# KiCad board brew-keeb-v2.kicad_pcb
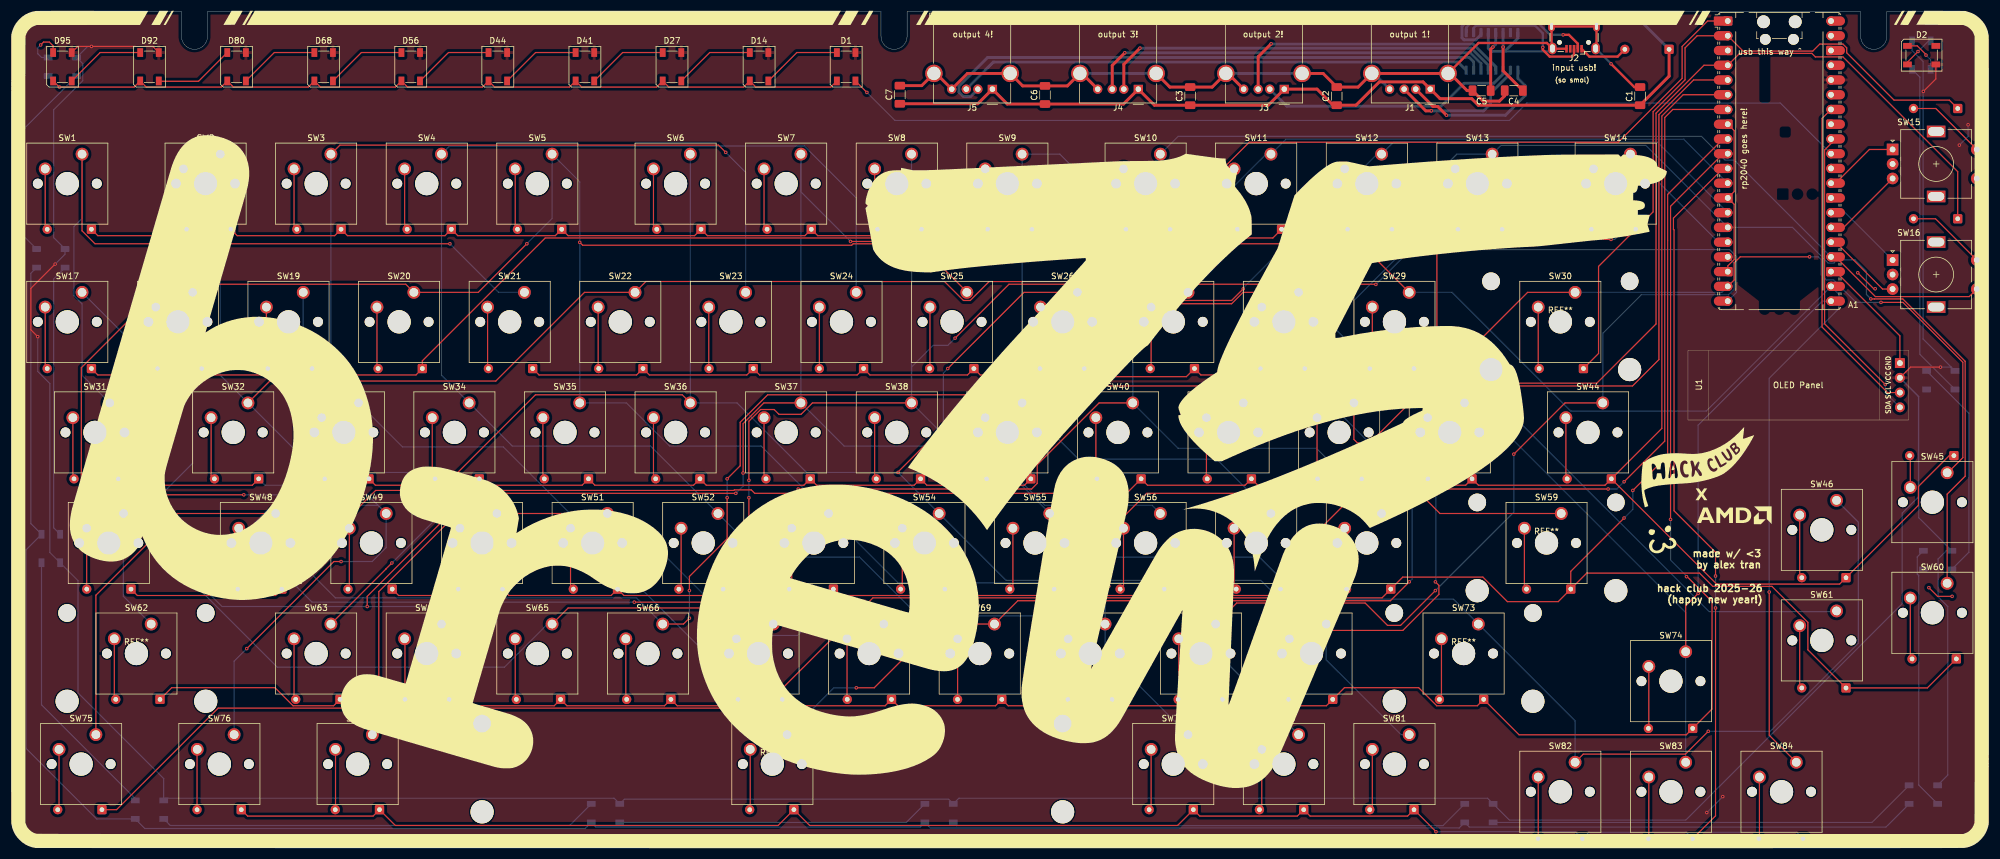
[diagram p0: board, top side]
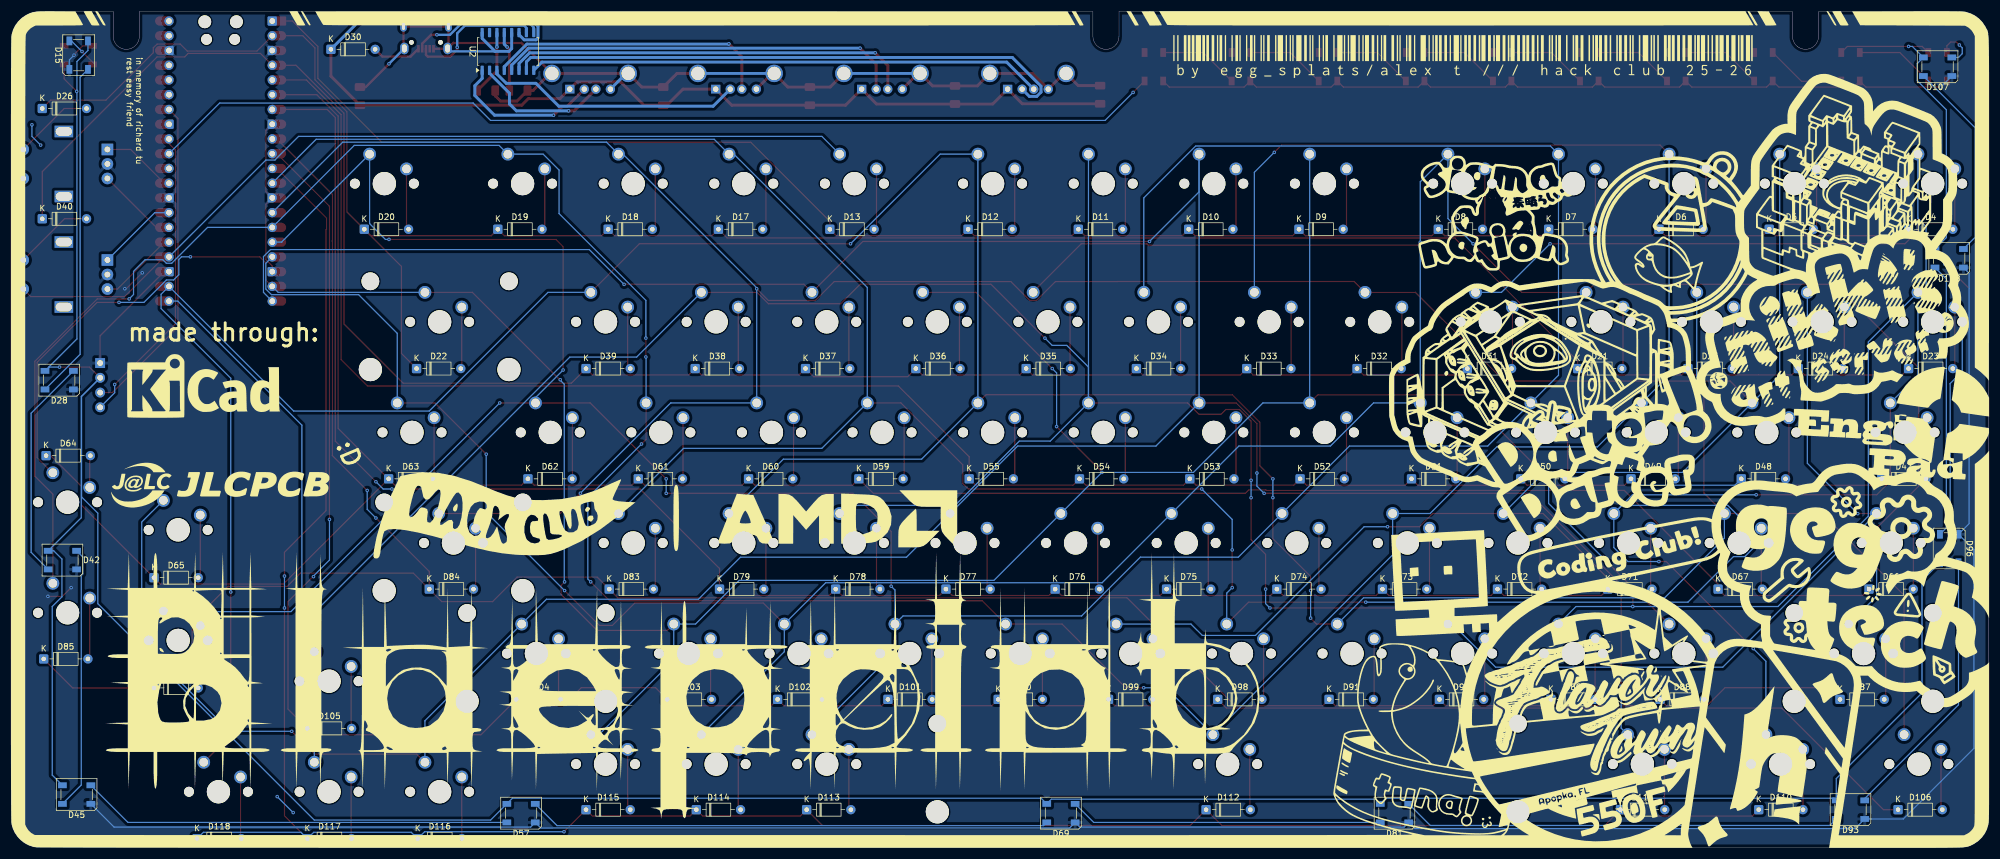
[diagram p1: board, bottom side, seen from below]

Outline 340.5 x 144 mm; copper layers: Top, Bottom. Coordinates in mm from the lower left corner of the outline.
Outline path: 0,139 arc(1.46,142.54) 5,144 29.25,144 29.25,139.75 arc(31.5,137.5) 33.75,139.75 33.75,144 149.75,144 149.75,139.75 arc(152,137.5) 154.25,139.75 154.25,144 318.5,144 318.5,139.75 arc(320.75,137.5) 323,139.75 323,144 335.5,144 arc(339.04,142.54) 340.5,139 340.5,5 arc(339.04,1.46) 335.5,0 5,0 arc(1.46,1.46) 0,5 0,139

## Placement (name value [footprint] x y rotation side)
A1  RaspberryPi_Pico  [RaspberryPi_Pico_Common_Unspecified]  304.5 118.25 0 top
C1  C  [C_1206_3216Metric_Pad1.33x1.80mm_HandSolder]  280.5 129.43 90 top
C2  C  [C_1206_3216Metric_Pad1.33x1.80mm_HandSolder]  228.25 129.43 90 top
C3  C  [C_1206_3216Metric_Pad1.33x1.80mm_HandSolder]  203 129.43 90 top
C4  C  [C_1206_3216Metric_Pad1.33x1.80mm_HandSolder]  258.75 130.39 180 top
C5  C  [C_1206_3216Metric_Pad1.33x1.80mm_HandSolder]  253.21 130.39 180 top
C6  C  [C_1206_3216Metric_Pad1.33x1.80mm_HandSolder]  178 129.64 90 top
C7  C  [C_1206_3216Metric_Pad1.33x1.80mm_HandSolder]  153 129.68 90 top
D1  SK6812  [LED_SK6812_PLCC4_5.0x5.0mm_P3.2mm]  143.75 134.5 90 top
D2  SK6812  [LED_SK6812_PLCC4_5.0x5.0mm_P3.2mm]  329 136.5 0 top
D4  D  [D_DO-35_SOD27_P7.62mm_Horizontal]  13.75 106.5 180 bottom
D5  D  [D_DO-35_SOD27_P7.62mm_Horizontal]  37.75 106.5 180 bottom
D6  D  [D_DO-35_SOD27_P7.62mm_Horizontal]  56.75 106.5 180 bottom
D7  D  [D_DO-35_SOD27_P7.62mm_Horizontal]  75.75 106.5 180 bottom
D8  D  [D_DO-35_SOD27_P7.62mm_Horizontal]  94.75 106.5 180 bottom
D9  D  [D_DO-35_SOD27_P7.62mm_Horizontal]  118.75 106.5 180 bottom
D10  D  [D_DO-35_SOD27_P7.62mm_Horizontal]  137.75 106.5 180 bottom
D11  D  [D_DO-35_SOD27_P7.62mm_Horizontal]  156.75 106.5 180 bottom
D12  D  [D_DO-35_SOD27_P7.62mm_Horizontal]  175.75 106.5 180 bottom
D13  D  [D_DO-35_SOD27_P7.62mm_Horizontal]  199.56 106.5 180 bottom
D14  SK6812  [LED_SK6812_PLCC4_5.0x5.0mm_P3.2mm]  128.75 134.5 90 top
D15  SK6812  [LED_SK6812_PLCC4_5.0x5.0mm_P3.2mm]  328.95 136.5 90 bottom
D17  D  [D_DO-35_SOD27_P7.62mm_Horizontal]  218.75 106.5 180 bottom
D18  D  [D_DO-35_SOD27_P7.62mm_Horizontal]  237.75 106.5 180 bottom
D19  D  [D_DO-35_SOD27_P7.62mm_Horizontal]  256.75 106.5 180 bottom
D20  D  [D_DO-35_SOD27_P7.62mm_Horizontal]  279.75 106.5 180 bottom
D21  D  [D_DO-35_SOD27_P7.62mm_Horizontal]  70.75 82.5 180 bottom
D22  D  [D_DO-35_SOD27_P7.62mm_Horizontal]  270.75 82.5 180 bottom
D23  D  [D_DO-35_SOD27_P7.62mm_Horizontal]  13.75 82.5 180 bottom
D24  D  [D_DO-35_SOD27_P7.62mm_Horizontal]  32.75 82.5 180 bottom
D25  D  [D_DO-35_SOD27_P7.62mm_Horizontal]  51.75 82.5 180 bottom
D26  D  [D_DO-35_SOD27_P7.62mm_Horizontal]  335.21 127.31 180 bottom
D27  SK6812  [LED_SK6812_PLCC4_5.0x5.0mm_P3.2mm]  113.75 134.5 90 top
D28  SK6812  [LED_SK6812_PLCC4_5.0x5.0mm_P3.2mm]  332.3 80.5 0 bottom
D30  D  [D_DO-35_SOD27_P7.62mm_Horizontal]  285.5 137.5 180 bottom
D31  D  [D_DO-35_SOD27_P7.62mm_Horizontal]  89.75 82.5 180 bottom
D32  D  [D_DO-35_SOD27_P7.62mm_Horizontal]  108.75 82.5 180 bottom
D33  D  [D_DO-35_SOD27_P7.62mm_Horizontal]  127.75 82.5 180 bottom
D34  D  [D_DO-35_SOD27_P7.62mm_Horizontal]  146.75 82.5 180 bottom
D35  D  [D_DO-35_SOD27_P7.62mm_Horizontal]  165.75 82.5 180 bottom
D36  D  [D_DO-35_SOD27_P7.62mm_Horizontal]  184.75 82.5 180 bottom
D37  D  [D_DO-35_SOD27_P7.62mm_Horizontal]  203.75 82.5 180 bottom
D38  D  [D_DO-35_SOD27_P7.62mm_Horizontal]  222.75 82.5 180 bottom
D39  D  [D_DO-35_SOD27_P7.62mm_Horizontal]  241.56 82.5 180 bottom
D40  D  [D_DO-35_SOD27_P7.62mm_Horizontal]  335.21 108.31 180 bottom
D41  SK6812  [LED_SK6812_PLCC4_5.0x5.0mm_P3.2mm]  98.75 134.5 90 top
D42  SK6812  [LED_SK6812_PLCC4_5.0x5.0mm_P3.2mm]  331.75 49.5 0 bottom
D44  SK6812  [LED_SK6812_PLCC4_5.0x5.0mm_P3.2mm]  83.75 134.5 90 top
D45  SK6812  [LED_SK6812_PLCC4_5.0x5.0mm_P3.2mm]  329.3 9.1 0 bottom
D47  D  [D_DO-35_SOD27_P7.62mm_Horizontal]  18.37 63.5 180 bottom
D48  D  [D_DO-35_SOD27_P7.62mm_Horizontal]  42.56 63.5 180 bottom
D49  D  [D_DO-35_SOD27_P7.62mm_Horizontal]  61.56 63.5 180 bottom
D50  D  [D_DO-35_SOD27_P7.62mm_Horizontal]  80.56 63.5 180 bottom
D51  D  [D_DO-35_SOD27_P7.62mm_Horizontal]  99.37 63.5 180 bottom
D52  D  [D_DO-35_SOD27_P7.62mm_Horizontal]  118.56 63.5 180 bottom
D53  D  [D_DO-35_SOD27_P7.62mm_Horizontal]  137.56 63.5 180 bottom
D54  D  [D_DO-35_SOD27_P7.62mm_Horizontal]  156.56 63.5 180 bottom
D55  D  [D_DO-35_SOD27_P7.62mm_Horizontal]  175.56 63.5 180 bottom
D56  SK6812  [LED_SK6812_PLCC4_5.0x5.0mm_P3.2mm]  68.75 134.5 90 top
D57  SK6812  [LED_SK6812_PLCC4_5.0x5.0mm_P3.2mm]  252.75 5.9 0 bottom
D59  D  [D_DO-35_SOD27_P7.62mm_Horizontal]  194.56 63.5 180 bottom
D60  D  [D_DO-35_SOD27_P7.62mm_Horizontal]  213.56 63.5 180 bottom
D61  D  [D_DO-35_SOD27_P7.62mm_Horizontal]  232.56 63.5 180 bottom
D62  D  [D_DO-35_SOD27_P7.62mm_Horizontal]  251.56 63.5 180 bottom
D63  D  [D_DO-35_SOD27_P7.62mm_Horizontal]  275.56 63.5 180 bottom
D64  D  [D_DO-35_SOD27_P7.62mm_Horizontal]  334.56 67.5 180 bottom
D65  D  [D_DO-35_SOD27_P7.62mm_Horizontal]  315.98 46.47 180 bottom
D66  D  [D_DO-35_SOD27_P7.62mm_Horizontal]  20.56 44.5 180 bottom
D67  D  [D_DO-35_SOD27_P7.62mm_Horizontal]  46.56 44.5 180 bottom
D68  SK6812  [LED_SK6812_PLCC4_5.0x5.0mm_P3.2mm]  53.75 134.5 90 top
D69  SK6812  [LED_SK6812_PLCC4_5.0x5.0mm_P3.2mm]  159.75 5.9 0 bottom
D71  D  [D_DO-35_SOD27_P7.62mm_Horizontal]  65.56 44.5 180 bottom
D72  D  [D_DO-35_SOD27_P7.62mm_Horizontal]  84.56 44.5 180 bottom
D73  D  [D_DO-35_SOD27_P7.62mm_Horizontal]  104.37 44.5 180 bottom
D74  D  [D_DO-35_SOD27_P7.62mm_Horizontal]  122.56 44.5 180 bottom
D75  D  [D_DO-35_SOD27_P7.62mm_Horizontal]  141.56 44.5 180 bottom
D76  D  [D_DO-35_SOD27_P7.62mm_Horizontal]  160.75 44.5 180 bottom
D77  D  [D_DO-35_SOD27_P7.62mm_Horizontal]  179.56 44.5 180 bottom
D78  D  [D_DO-35_SOD27_P7.62mm_Horizontal]  198.56 44.5 180 bottom
D79  D  [D_DO-35_SOD27_P7.62mm_Horizontal]  218.56 44.5 180 bottom
D80  SK6812  [LED_SK6812_PLCC4_5.0x5.0mm_P3.2mm]  38.75 134.5 90 top
D81  SK6812  [LED_SK6812_PLCC4_5.0x5.0mm_P3.2mm]  102.3 5.9 0 bottom
D83  D  [D_DO-35_SOD27_P7.62mm_Horizontal]  237.56 44.5 180 bottom
D84  D  [D_DO-35_SOD27_P7.62mm_Horizontal]  268.56 44.5 180 bottom
D85  D  [D_DO-35_SOD27_P7.62mm_Horizontal]  334.98 32.47 180 bottom
D86  D  [D_DO-35_SOD27_P7.62mm_Horizontal]  315.98 27.47 180 bottom
D87  D  [D_DO-35_SOD27_P7.62mm_Horizontal]  25.56 25.5 180 bottom
D88  D  [D_DO-35_SOD27_P7.62mm_Horizontal]  56.56 25.5 180 bottom
D89  D  [D_DO-35_SOD27_P7.62mm_Horizontal]  75.37 25.5 180 bottom
D90  D  [D_DO-35_SOD27_P7.62mm_Horizontal]  94.56 25.5 180 bottom
D91  D  [D_DO-35_SOD27_P7.62mm_Horizontal]  113.56 25.5 180 bottom
D92  SK6812  [LED_SK6812_PLCC4_5.0x5.0mm_P3.2mm]  23.75 134.5 90 top
D93  SK6812  [LED_SK6812_PLCC4_5.0x5.0mm_P3.2mm]  23.75 6.5 0 bottom
D95  SK6812  [LED_SK6812_PLCC4_5.0x5.0mm_P3.2mm]  8.75 134.5 90 top
D96  SK6812  [LED_SK6812_PLCC4_5.0x5.0mm_P3.2mm]  6.75 51.5 270 bottom
D98  D  [D_DO-35_SOD27_P7.62mm_Horizontal]  132.75 25.5 180 bottom
D99  D  [D_DO-35_SOD27_P7.62mm_Horizontal]  151.56 25.5 180 bottom
D100  D  [D_DO-35_SOD27_P7.62mm_Horizontal]  170.56 25.5 180 bottom
D101  D  [D_DO-35_SOD27_P7.62mm_Horizontal]  189.56 25.5 180 bottom
D102  D  [D_DO-35_SOD27_P7.62mm_Horizontal]  208.56 25.5 180 bottom
D103  D  [D_DO-35_SOD27_P7.62mm_Horizontal]  227.56 25.5 180 bottom
D104  D  [D_DO-35_SOD27_P7.62mm_Horizontal]  253.56 25.5 180 bottom
D105  D  [D_DO-35_SOD27_P7.62mm_Horizontal]  289.56 20.5 180 bottom
D106  D  [D_DO-35_SOD27_P7.62mm_Horizontal]  15.56 6.5 180 bottom
D107  SK6812  [LED_SK6812_PLCC4_5.0x5.0mm_P3.2mm]  8.75 134.5 0 bottom
D108  SK6812  [LED_SK6812_PLCC4_5.0x5.0mm_P3.2mm]  6.75 101.5 0 bottom
D110  D  [D_DO-35_SOD27_P7.62mm_Horizontal]  39.56 6.5 180 bottom
D111  D  [D_DO-35_SOD27_P7.62mm_Horizontal]  63.37 6.5 180 bottom
D112  D  [D_DO-35_SOD27_P7.62mm_Horizontal]  134.75 6.5 180 bottom
D113  D  [D_DO-35_SOD27_P7.62mm_Horizontal]  203.56 6.5 180 bottom
D114  D  [D_DO-35_SOD27_P7.62mm_Horizontal]  222.56 6.5 180 bottom
D115  D  [D_DO-35_SOD27_P7.62mm_Horizontal]  241.56 6.5 180 bottom
D116  D  [D_DO-35_SOD27_P7.62mm_Horizontal]  270.56 1.5 180 bottom
D117  D  [D_DO-35_SOD27_P7.62mm_Horizontal]  289.56 1.5 180 bottom
D118  D  [D_DO-35_SOD27_P7.62mm_Horizontal]  308.56 1.5 180 bottom
G***  -  [LOGO]  324.75 14.5 0 top
G***#2  -  [LOGO]  170.25 72 0 top
G***#3  -  [LOGO]  296.75 57.22 0 top
G***#4  -  [LOGO]  290.37 65.97 20 top
G***#5  -  [LOGO]  284.25 53 280 top
G***#6  -  [LOGO]  85 109.25 180 bottom
G***#7  -  [LOGO]  90.5 136.25 180 bottom
G***#8  -  [LOGO]  224.92 33.59 180 bottom
G***#9  -  [LOGO]  170.25 72 180 bottom
G***#10  -  [LOGO]  304.75 62.5 180 bottom
G***#11  -  [LOGO]  307.64 79.75 180 bottom
J1  USB_A  [USB_A_Molex_67643_Horizontal]  244.36 130.64 180 top
J2  USB_B_Micro  [USB_Micro-B_Wuerth_629105150521]  269.12 139.5 180 top
J3  USB_A  [USB_A_Molex_67643_Horizontal]  219.22 130.64 180 top
J4  USB_A  [USB_A_Molex_67643_Horizontal]  194.08 130.64 180 top
J5  USB_A  [USB_A_Molex_67643_Horizontal]  168.94 130.64 180 top
REF**  -  [Stabilizer_Cherry_MX_2.00u]  21.5 33.4 0 top
REF**#2  -  [Stabilizer_Cherry_MX_2.00u]  266.77 90.55 0 top
REF**#3  -  [Stabilizer_Cherry_MX_6.25u]  131.04 14.35 0 top
REF**#4  -  [Stabilizer_Cherry_MX_2.00u]  264.39 52.45 0 top
REF**#5  -  [Stabilizer_Cherry_MX_2.00u]  250.1 33.4 0 top
SW1  Keyswitch  [SW_Cherry_MX_1.00u_PCB]  12.13 119.44 0 top
SW2  Keyswitch  [SW_Cherry_MX_1.00u_PCB]  35.95 119.44 0 top
SW3  Keyswitch  [SW_Cherry_MX_1.00u_PCB]  55 119.44 0 top
SW4  Keyswitch  [SW_Cherry_MX_1.00u_PCB]  74.05 119.44 0 top
SW5  Keyswitch  [SW_Cherry_MX_1.00u_PCB]  93.1 119.44 0 top
SW6  Keyswitch  [SW_Cherry_MX_1.00u_PCB]  116.91 119.44 0 top
SW7  Keyswitch  [SW_Cherry_MX_1.00u_PCB]  135.96 119.44 0 top
SW8  Keyswitch  [SW_Cherry_MX_1.00u_PCB]  155.01 119.44 0 top
SW9  Keyswitch  [SW_Cherry_MX_1.00u_PCB]  174.06 119.44 0 top
SW10  Keyswitch  [SW_Cherry_MX_1.00u_PCB]  197.87 119.44 0 top
SW11  Keyswitch  [SW_Cherry_MX_1.00u_PCB]  216.92 119.44 0 top
SW12  Keyswitch  [SW_Cherry_MX_1.00u_PCB]  235.97 119.44 0 top
SW13  Keyswitch  [SW_Cherry_MX_1.00u_PCB]  255.02 119.44 0 top
SW14  Keyswitch  [SW_Cherry_MX_1.00u_PCB]  278.83 119.44 0 top
SW15  RotaryEncoder_Switch  [RotaryEncoder_Alps_EC11E-Switch_Vertical_H20mm]  324 120.25 0 top
SW16  RotaryEncoder_Switch  [RotaryEncoder_Alps_EC11E-Switch_Vertical_H20mm]  324 101.2 0 top
SW17  Keyswitch  [SW_Cherry_MX_1.00u_PCB]  12.13 95.63 0 top
SW18  Keyswitch  [SW_Cherry_MX_1.00u_PCB]  31.19 95.63 0 top
SW19  Keyswitch  [SW_Cherry_MX_1.00u_PCB]  50.23 95.63 0 top
SW20  Keyswitch  [SW_Cherry_MX_1.00u_PCB]  69.28 95.63 0 top
SW21  Keyswitch  [SW_Cherry_MX_1.00u_PCB]  88.33 95.63 0 top
SW22  Keyswitch  [SW_Cherry_MX_1.00u_PCB]  107.38 95.63 0 top
SW23  Keyswitch  [SW_Cherry_MX_1.00u_PCB]  126.44 95.63 0 top
SW24  Keyswitch  [SW_Cherry_MX_1.00u_PCB]  145.49 95.63 0 top
SW25  Keyswitch  [SW_Cherry_MX_1.00u_PCB]  164.53 95.63 0 top
SW26  Keyswitch  [SW_Cherry_MX_1.00u_PCB]  183.59 95.63 0 top
SW27  Keyswitch  [SW_Cherry_MX_1.00u_PCB]  202.63 95.63 0 top
SW28  Keyswitch  [SW_Cherry_MX_1.00u_PCB]  221.69 95.63 0 top
SW29  Keyswitch  [SW_Cherry_MX_1.00u_PCB]  240.74 95.63 0 top
SW30  Keyswitch  [SW_Cherry_MX_1.00u_PCB]  269.31 95.63 0 top
SW31  Keyswitch  [SW_Cherry_MX_1.00u_PCB]  16.9 76.58 0 top
SW32  Keyswitch  [SW_Cherry_MX_1.00u_PCB]  40.71 76.58 0 top
SW33  Keyswitch  [SW_Cherry_MX_1.00u_PCB]  59.76 76.58 0 top
SW34  Keyswitch  [SW_Cherry_MX_1.00u_PCB]  78.81 76.58 0 top
SW35  Keyswitch  [SW_Cherry_MX_1.00u_PCB]  97.86 76.58 0 top
SW36  Keyswitch  [SW_Cherry_MX_1.00u_PCB]  116.91 76.58 0 top
SW37  Keyswitch  [SW_Cherry_MX_1.00u_PCB]  135.96 76.58 0 top
SW38  Keyswitch  [SW_Cherry_MX_1.00u_PCB]  155.01 76.58 0 top
SW39  Keyswitch  [SW_Cherry_MX_1.00u_PCB]  174.06 76.58 0 top
SW40  Keyswitch  [SW_Cherry_MX_1.00u_PCB]  193.11 76.58 0 top
SW41  Keyswitch  [SW_Cherry_MX_1.00u_PCB]  212.16 76.58 0 top
SW42  Keyswitch  [SW_Cherry_MX_1.00u_PCB]  231.21 76.58 0 top
SW43  Keyswitch  [SW_Cherry_MX_1.00u_PCB]  250.26 76.58 0 top
SW44  Keyswitch  [SW_Cherry_MX_1.00u_PCB]  274.07 76.58 0 top
SW45  Keyswitch  [SW_Cherry_MX_1.00u_PCB]  333.4 64.55 0 top
SW46  Keyswitch  [SW_Cherry_MX_1.00u_PCB]  314.35 59.79 0 top
SW47  Keyswitch  [SW_Cherry_MX_1.00u_PCB]  19.28 57.53 0 top
SW48  Keyswitch  [SW_Cherry_MX_1.00u_PCB]  45.47 57.53 0 top
SW49  Keyswitch  [SW_Cherry_MX_1.00u_PCB]  64.52 57.53 0 top
SW50  Keyswitch  [SW_Cherry_MX_1.00u_PCB]  83.57 57.53 0 top
SW51  Keyswitch  [SW_Cherry_MX_1.00u_PCB]  102.62 57.53 0 top
SW52  Keyswitch  [SW_Cherry_MX_1.00u_PCB]  121.67 57.53 0 top
SW53  Keyswitch  [SW_Cherry_MX_1.00u_PCB]  140.72 57.53 0 top
SW54  Keyswitch  [SW_Cherry_MX_1.00u_PCB]  159.77 57.53 0 top
SW55  Keyswitch  [SW_Cherry_MX_1.00u_PCB]  178.82 57.53 0 top
SW56  Keyswitch  [SW_Cherry_MX_1.00u_PCB]  197.87 57.53 0 top
SW57  Keyswitch  [SW_Cherry_MX_1.00u_PCB]  216.92 57.53 0 top
SW58  Keyswitch  [SW_Cherry_MX_1.00u_PCB]  235.97 57.53 0 top
SW59  Keyswitch  [SW_Cherry_MX_1.00u_PCB]  266.93 57.53 0 top
SW60  Keyswitch  [SW_Cherry_MX_1.00u_PCB]  333.4 45.5 0 top
SW61  Keyswitch  [SW_Cherry_MX_1.00u_PCB]  314.35 40.74 0 top
SW62  Keyswitch  [SW_Cherry_MX_1.00u_PCB]  24.04 38.48 0 top
SW63  Keyswitch  [SW_Cherry_MX_1.00u_PCB]  55 38.48 0 top
SW64  Keyswitch  [SW_Cherry_MX_1.00u_PCB]  74.05 38.48 0 top
SW65  Keyswitch  [SW_Cherry_MX_1.00u_PCB]  93.1 38.48 0 top
SW66  Keyswitch  [SW_Cherry_MX_1.00u_PCB]  112.15 38.48 0 top
SW67  Keyswitch  [SW_Cherry_MX_1.00u_PCB]  131.2 38.48 0 top
SW68  Keyswitch  [SW_Cherry_MX_1.00u_PCB]  150.25 38.48 0 top
SW69  Keyswitch  [SW_Cherry_MX_1.00u_PCB]  169.3 38.48 0 top
SW70  Keyswitch  [SW_Cherry_MX_1.00u_PCB]  188.35 38.48 0 top
SW71  Keyswitch  [SW_Cherry_MX_1.00u_PCB]  207.4 38.48 0 top
SW72  Keyswitch  [SW_Cherry_MX_1.00u_PCB]  226.45 38.48 0 top
SW73  Keyswitch  [SW_Cherry_MX_1.00u_PCB]  252.64 38.48 0 top
SW74  Keyswitch  [SW_Cherry_MX_1.00u_PCB]  288.36 33.72 0 top
SW75  Keyswitch  [SW_Cherry_MX_1.00u_PCB]  14.52 19.43 0 top
SW76  Keyswitch  [SW_Cherry_MX_1.00u_PCB]  38.33 19.43 0 top
SW77  Keyswitch  [SW_Cherry_MX_1.00u_PCB]  62.14 19.43 0 top
SW78  Keyswitch  [SW_Cherry_MX_1.00u_PCB]  133.58 19.43 0 top
SW79  Keyswitch  [SW_Cherry_MX_1.00u_PCB]  202.63 19.43 0 top
SW80  Keyswitch  [SW_Cherry_MX_1.00u_PCB]  221.69 19.43 0 top
SW81  Keyswitch  [SW_Cherry_MX_1.00u_PCB]  240.74 19.43 0 top
SW82  Keyswitch  [SW_Cherry_MX_1.00u_PCB]  269.31 14.67 0 top
SW83  Keyswitch  [SW_Cherry_MX_1.00u_PCB]  288.36 14.67 0 top
SW84  Keyswitch  [SW_Cherry_MX_1.00u_PCB]  307.41 14.67 0 top
U1  ~  [SSD1306-0.91-OLED-4pin-128x32]  288.75 85.64 0 top
U2  SL2.1A  [SOIC-16_4.55x10.3mm_P1.27mm]  255 137.14 90 bottom

## Library data of the parts
A1 = -: Datasheet: https://datasheets.raspberrypi.com/pico/pico-datasheet.pdf; Description: Versatile and inexpensive microcontroller module powered by RP2040 dual-core Arm Cortex-M0+ processor up to 133 MHz, 264kB SRAM, 2MB QSPI flash; also supports Raspberry Pi Pico 2; ki_fp_filters: RaspberryPi?Pico?Common* RaspberryPi?Pico?SMD*
C1-C7 = -: Description: Unpolarized capacitor; ki_fp_filters: C_*
D1 D2 D14 D15 D27 D28 D41 D42 D44 D45 D56 D57 D68 D69 D80 D81 D92 D93 D95 D96 D107 D108 = -: Datasheet: https://cdn-shop.adafruit.com/product-files/1138/SK6812+LED+datasheet+.pdf; Description: RGB LED with integrated controller; ki_fp_filters: LED*SK6812*PLCC*5.0x5.0mm*P3.2mm*
D4-D13 D17-D26 D30-D40 D47-D55 D59-D67 D71-D79 D83-D91 D98-D106 D110-D118 = -: Description: Diode; Sim.Pins: 1=K 2=A; ki_fp_filters: TO-???* *_Diode_* *SingleDiode* D_*
J1 J3-J5 = -: Description: USB Type A connector; ki_fp_filters: USB*
J2 = -: Description: USB Micro Type B connector; ki_fp_filters: USB*Micro*B*
SW1-SW14 SW17-SW84 = -: Description: Push button switch, normally open, two pins, 45° tilted
SW15 SW16 = -: Description: Rotary encoder, dual channel, incremental quadrate outputs, with switch; ki_fp_filters: RotaryEncoder*Switch*

## Footprints (pads in the part's own frame, mm; a bottom-side part is the same pattern mirrored in y, then rotated)
C_1206_3216Metric_Pad1.33x1.80mm_HandSolder
  rrect 1.325x1.8 smd: 1(-1.562,0) 2(1.562,0)
D_DO-35_SOD27_P7.62mm_Horizontal
  rrect 1.6x1.6 hole 0.8: 1(0,0)
  round 1.6 hole 0.8: 2(7.62,0)
LED_SK6812_PLCC4_5.0x5.0mm_P3.2mm
  rect 1.5x1 smd: 1(-2.45,1.6) 2(-2.45,-1.6) 3(2.45,-1.6) 4(2.45,1.6)
RaspberryPi_Pico_Common_Unspecified
  round 2.2 hole 2.2 unplated: (-2.725,24) (2.725,24)
  round 1.85 hole 1.85 unplated: (-2.425,20.97) (2.425,20.97)
  custom 3.2x1.6 smd: 1(-9.69,24.13) 3(-9.69,19.05) 8(-9.69,6.35) 13(-9.69,-6.35) 18(-9.69,-19.05) 23(9.69,-19.05) 28(9.69,-6.35) 33(9.69,6.35) 38(9.69,19.05)
  rrect 1.6x1.6 hole 1: 1(-8.89,24.13)
  rrect 3.2x1.6 smd: 2(-9.69,21.59) 4(-9.69,16.51) 5(-9.69,13.97) 6(-9.69,11.43) 7(-9.69,8.89) 9(-9.69,3.81) 10(-9.69,1.27) 11(-9.69,-1.27) 12(-9.69,-3.81) 14(-9.69,-8.89) 15(-9.69,-11.43) 16(-9.69,-13.97) 17(-9.69,-16.51) 19(-9.69,-21.59) 20(-9.69,-24.13) 21(9.69,-24.13) 22(9.69,-21.59) 24(9.69,-16.51) 25(9.69,-13.97) 26(9.69,-11.43) 27(9.69,-8.89) 29(9.69,-3.81) 30(9.69,-1.27) 31(9.69,1.27) 32(9.69,3.81) 34(9.69,8.89) 35(9.69,11.43) 36(9.69,13.97) 37(9.69,16.51) 39(9.69,21.59) 40(9.69,24.13)
  round 1.6 hole 1: 2(-8.89,21.59) 4(-8.89,16.51) 5(-8.89,13.97) 6(-8.89,11.43) 7(-8.89,8.89) 9(-8.89,3.81) 10(-8.89,1.27) 11(-8.89,-1.27) 12(-8.89,-3.81) 14(-8.89,-8.89) 15(-8.89,-11.43) 16(-8.89,-13.97) 17(-8.89,-16.51) 19(-8.89,-21.59) 20(-8.89,-24.13) 21(8.89,-24.13) 22(8.89,-21.59) 24(8.89,-16.51) 25(8.89,-13.97) 26(8.89,-11.43) 27(8.89,-8.89) 29(8.89,-3.81) 30(8.89,-1.27) 31(8.89,1.27) 32(8.89,3.81) 34(8.89,8.89) 35(8.89,11.43) 36(8.89,13.97) 37(8.89,16.51) 39(8.89,21.59) 40(8.89,24.13)
  custom 1.6x1.6 hole 1: 3(-8.89,19.05) 8(-8.89,6.35) 13(-8.89,-6.35) 18(-8.89,-19.05) 23(8.89,-19.05) 28(8.89,-6.35) 33(8.89,6.35) 38(8.89,19.05)
RotaryEncoder_Alps_EC11E-Switch_Vertical_H20mm
  rect 2x2 hole 1: A(0,0)
  round 2 hole 1: B(0,-5) C(0,-2.5) S1(14.5,-5) S2(14.5,0)
  rect 3.2x2 hole 2.8x1.5: MP(7.5,3.1) MP(7.5,-8.1)
SOIC-16_4.55x10.3mm_P1.27mm
  rrect 1.6x0.55 smd: 1(-3.25,4.445) 2(-3.25,3.175) 3(-3.25,1.905) 4(-3.25,0.635) 5(-3.25,-0.635) 6(-3.25,-1.905) 7(-3.25,-3.175) 8(-3.25,-4.445) 9(3.25,-4.445) 10(3.25,-3.175) 11(3.25,-1.905) 12(3.25,-0.635) 13(3.25,0.635) 14(3.25,1.905) 15(3.25,3.175) 16(3.25,4.445)
SSD1306-0.91-OLED-4pin-128x32
  rect 1.7x1.7 hole 1: 1(36.5,-2.19)
  oval 1.7x1.7 hole 1: 2(36.5,-4.73) 3(36.5,-7.27) 4(36.5,-9.81)
Stabilizer_Cherry_MX_2.00u
  round 3.048 hole 3.048 unplated: (-11.938,6.985) (11.938,6.985)
  round 3.988 hole 3.988 unplated: (-11.938,-8.225) (11.938,-8.225)
Stabilizer_Cherry_MX_6.25u
  round 3.048 hole 3.048 unplated: (-50,6.985) (50,6.985)
  round 3.988 hole 3.988 unplated: (-50,-8.225) (50,-8.225)
SW_Cherry_MX_1.00u_PCB
  round 1.7 hole 1.7 unplated: (-7.62,-5.08) (2.54,-5.08)
  round 4 hole 4 unplated: (-2.54,-5.08)
  round 2.2 hole 1.5: 1(0,0) 2(-6.35,-2.54)
USB_A_Molex_67643_Horizontal
  rect 1.6x1.5 hole 0.95: 1(0,0)
  round 1.6 hole 0.95: 2(2.5,0) 3(4.5,0) 4(7,0)
  round 3 hole 2.3: 5(-3.07,-2.71) 5(10.07,-2.71)
USB_Micro-B_Wuerth_629105150521
  oval 0.8x0.8 hole 0.8 unplated: (-2.5,0.8) (2.5,0.8)
  rect 0.45x1.3 smd: 1(-1.3,1.9) 2(-0.65,1.9) 3(0,1.9) 4(0.65,1.9) 5(1.3,1.9)
  oval 1.15x1.8 hole 0.55x1.2: 6(-3.875,-1.95) 6(3.875,-1.95)
  oval 1.45x2 hole 0.85x1.4: 6(-3.725,1.85) 6(3.725,1.85)

## Nets
+3.3V: A1.36 D1.3 D2.3 D14.3 D15.3 D27.3 D28.3 D41.3 D42.3 D44.3 D45.3 D56.3 D57.3 D68.3 D69.3 D80.3 D81.3 D92.3 D93.3 D95.3 D96.3 D107.3 D108.3 U1.2
+5V: C1.1 C2.1 C3.1 C6.1 C7.1 D30.1 J1.1 J3.1 J4.1 J5.1 U2.11
GND: A1.3 A1.8 A1.13 A1.18 A1.23 A1.28 A1.38 D1.1 D2.1 D14.1 D15.1 D27.1 D28.1 D41.1 D42.1 D44.1 D45.1 D56.1 D57.1 D68.1 D69.1 D80.1 D81.1 D92.1 D93.1 D95.1 D96.1 D107.1 D108.1 SW15.C SW16.C U1.1
GND1: C1.2 C2.2 C3.2 C4.2 C5.2 C6.2 C7.2 J1.4 J1.5 J2.5 J2.6 J3.4 J3.5 J4.4 J4.5 J5.4 J5.5 U2.12 U2.16
COL 1: A1.12 SW1.1 SW11.1 SW21.1 SW31.1 SW40.1 SW49.1 SW58.1 SW67.1 SW76.1
COL 2: A1.14 SW2.1 SW12.1 SW22.1 SW32.1 SW41.1 SW50.1 SW59.1 SW68.1 SW77.1
COL 3: A1.15 SW3.1 SW13.1 SW23.1 SW33.1 SW42.1 SW51.1 SW60.1 SW69.1 SW78.1
COL 4: A1.16 SW4.1 SW14.1 SW24.1 SW34.1 SW43.1 SW52.1 SW61.1 SW70.1 SW79.1
COL 5: A1.17 SW5.1 SW20.1 SW25.1 SW35.1 SW44.1 SW53.1 SW62.1 SW71.1 SW80.1
COL 6: A1.19 SW6.1 SW26.1 SW30.1 SW36.1 SW45.1 SW54.1 SW63.1 SW72.1 SW81.1
COL 7: A1.20 SW7.1 SW17.1 SW27.1 SW37.1 SW46.1 SW55.1 SW64.1 SW73.1 SW82.1
COL 8: A1.21 SW8.1 SW18.1 SW28.1 SW38.1 SW47.1 SW56.1 SW65.1 SW74.1 SW83.1
COL 9: A1.22 SW9.1 SW19.1 SW29.1 SW39.1 SW48.1 SW57.1 SW66.1 SW75.1 SW84.1
COL 10: A1.24 SW10.1 SW15.S1 SW16.S1
IN+: J2.3 U2.10
IN-: J2.2 U2.9
KNB-1-A: A1.29 SW15.A
KNB-1-B: A1.26 SW15.B
KNB-1-OUT: D40.2 SW16.S2
KNB-2-A: A1.27 SW16.A
KNB-2-B: A1.25 SW16.B
KNB-2-OUT: D26.2 SW15.S2
LED: A1.31 D1.2
ROW 1: A1.1 D4.1 D5.1 D6.1 D7.1 D8.1 D9.1 D10.1 D11.1 D12.1 D13.1